# Altium PCB CHAHARDOLI-7 ADAD METAL.PcbDoc (part 7 of 10)
Units mm, origin at the board's own origin, x right, y up, seen from the top; angles counter-clockwise.
Board outline 151 x 86.38 mm, 2 copper layers (Top Layer, Bottom Layer); 1512 components, 81 nets, 3736 pads, 768 vias.
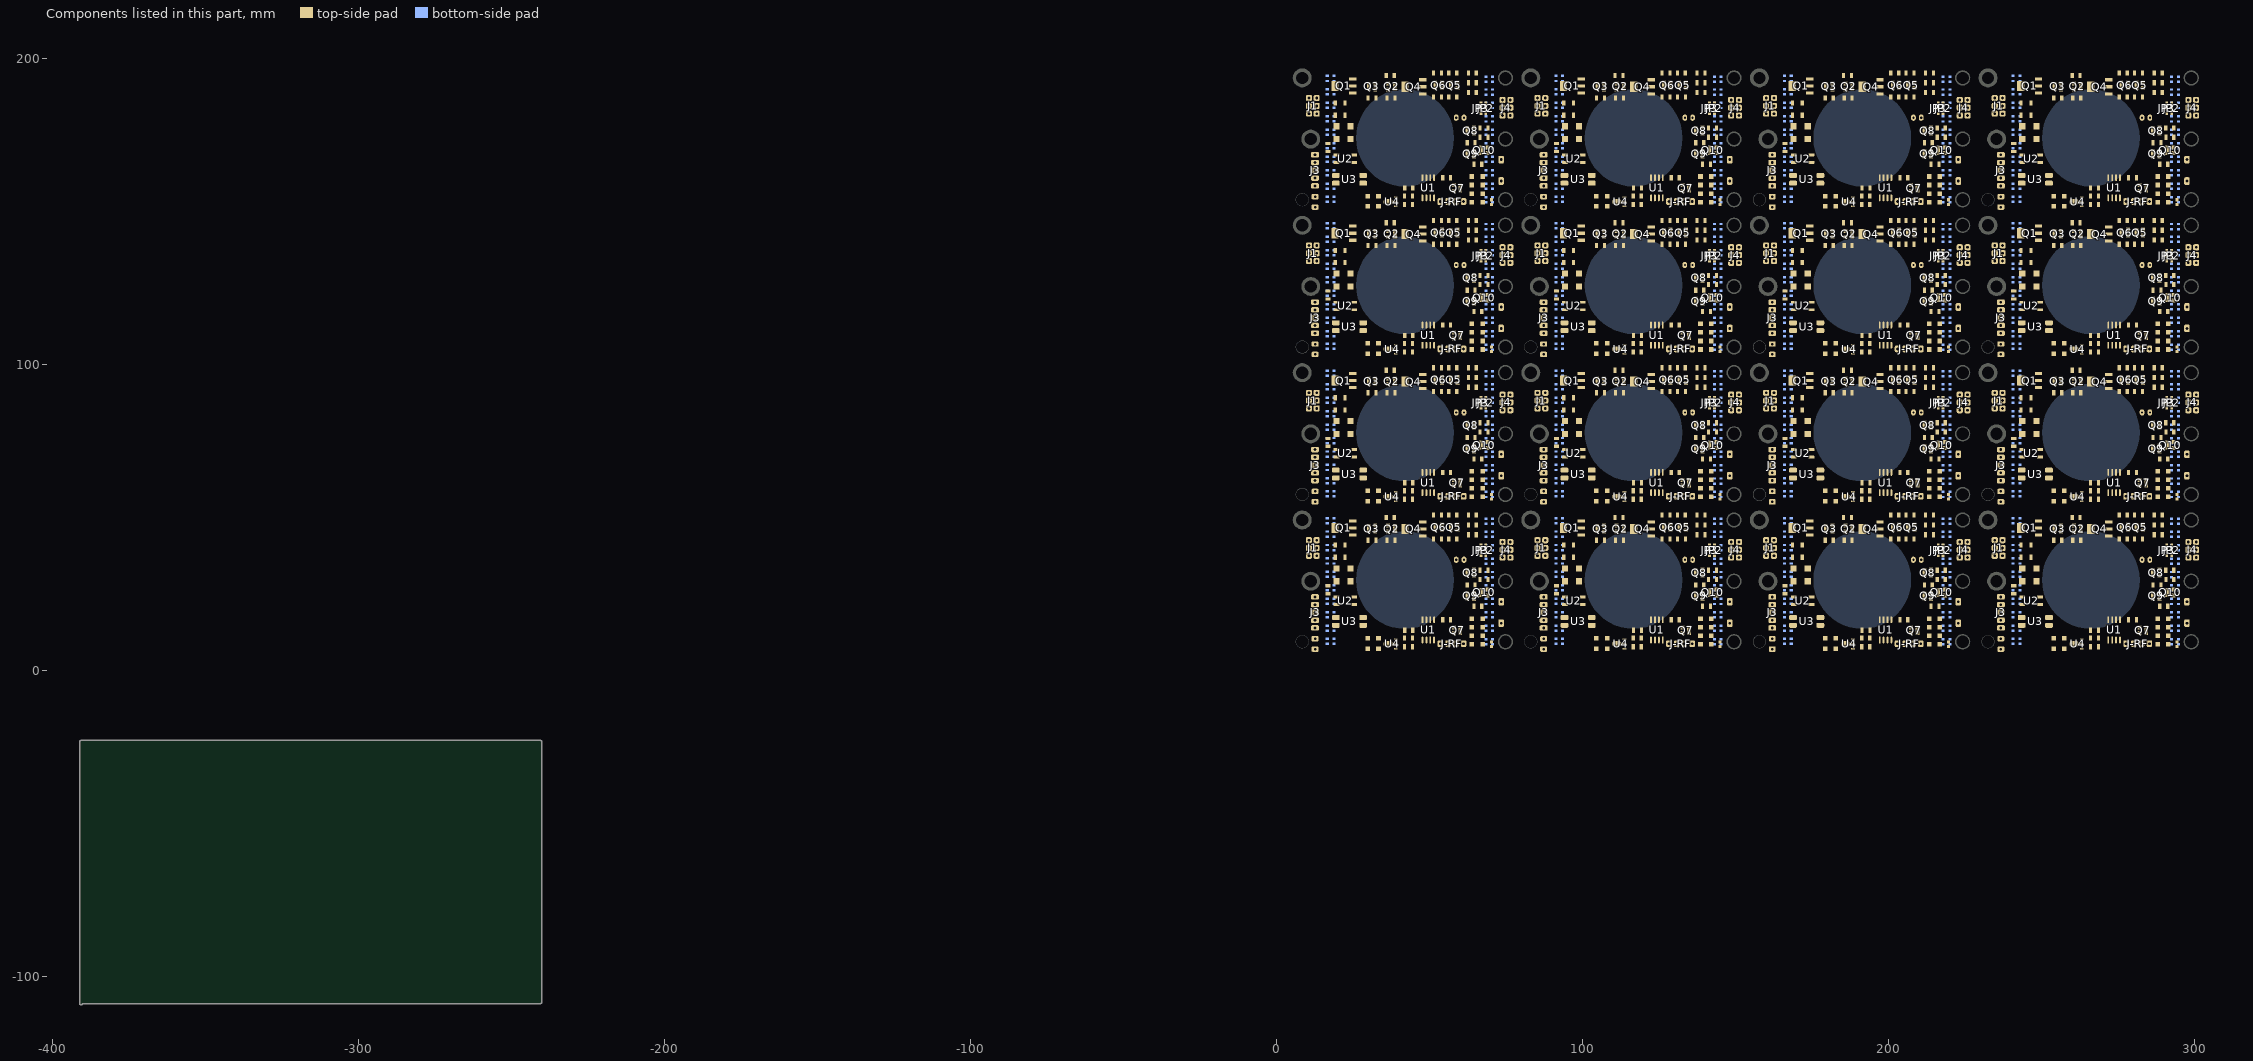
[diagram p7: the components of this part, seen from the top]

## Via types
v1: diameter 1.2, hole 0.6, Top Layer to Bottom Layer, 496 vias
v2: diameter 1, hole 0.6, Top Layer to Bottom Layer, 128 vias
v3: diameter 0.9, hole 0.6, Top Layer to Bottom Layer, 128 vias
v4: diameter 1.27, hole 0.6, Top Layer to Bottom Layer, 16 vias

## Nets (pads, with @x,y where several pads share a name; then routed paths per layer and width w, separated by ;. In a path a pad name is that pad's centre, name@x,y a point inside that pad or via, vN(x,y) a via of type N, cw(c..) or ccw(c..) an arc to the next point about the centre after c; other vN are vias at no path point) (continued)
copper on no net: (continued)
  Bottom Layer w0.4: 16.505,39.428 16.836,39.098 16.836,38.318 17.636,37.518 17.636,34.21 16.54,33.114 16.54,32.352 16.536,32.348 ; 16.505,87.573 16.836,87.243 16.836,86.463 17.636,85.663 17.636,82.355 16.54,81.259 16.54,80.497 16.536,80.493 ; 16.505,135.718 16.836,135.388 16.836,134.608 17.636,133.808 17.636,130.5 16.54,129.404 16.54,128.642 16.536,128.638 ; 16.505,183.864 16.836,183.533 16.836,182.753 17.636,181.953 17.636,178.645 16.54,177.549 16.54,176.787 16.536,176.783 ; 16.536,8.698 16.524,8.686 16.524,7.544 17.17,6.898 21.866,6.898 22.5,7.532 22.766,7.532 v1(22.784,7.55) ; 16.536,10.348 16.336,10.548 15.897,10.548 15.436,11.01 15.436,16.61 15.924,17.098 16.336,17.098 16.536,17.298 ; 16.536,12.698 16.816,12.698 16.816,11.898 17.636,11.078 17.636,8.01 17.947,7.698 19.484,7.698 19.496,7.71 20.336,7.71 20.897,8.271 v1(20.897,8.491) ; 16.536,18.948 16.336,19.148 15.897,19.148 15.436,19.61 15.436,25.41 15.924,25.898 16.336,25.898 16.536,26.098 ; 16.536,21.698 16.621,21.612 16.621,20.932 17.636,19.918 17.636,16.649 16.536,15.549 16.536,14.648 16.836,14.348 ; 16.536,27.748 16.336,27.948 15.897,27.948 15.436,28.41 15.436,34.21 15.924,34.698 16.336,34.698 16.536,34.898 ; 16.536,36.548 16.336,36.748 15.897,36.748 15.436,37.21 15.436,43.01 15.924,43.498 16.536,43.498 16.62,43.582 ; 16.536,45.348 16.336,45.548 15.897,45.548 15.336,46.11 15.336,49.475 15.57,49.71 16.497,49.71 16.536,49.748 ; 16.536,48.098 16.536,47.218 17.636,46.118 17.636,43.049 16.536,41.949 16.536,41.148 16.736,40.948 ; 16.536,56.843 16.524,56.831 16.524,55.689 17.17,55.043 21.866,55.043 22.5,55.677 22.766,55.677 v1(22.784,55.695) ; 16.536,58.493 16.336,58.693 15.897,58.693 15.436,59.155 15.436,64.755 15.924,65.243 16.336,65.243 16.536,65.443 ; 16.536,60.843 16.816,60.843 16.816,60.043 17.636,59.224 17.636,56.155 17.947,55.843 19.484,55.843 19.496,55.855 20.336,55.855 20.897,56.416 v1(20.897,56.636) ; 16.536,67.093 16.336,67.293 15.897,67.293 15.436,67.755 15.436,73.555 15.924,74.043 16.336,74.043 16.536,74.243 ; 16.536,69.843 16.621,69.757 16.621,69.077 17.636,68.063 17.636,64.795 16.536,63.695 16.536,62.793 16.836,62.493 ; 16.536,75.893 16.336,76.093 15.897,76.093 15.436,76.555 15.436,82.355 15.924,82.843 16.336,82.843 16.536,83.043 ; 16.536,84.693 16.336,84.893 15.897,84.893 15.436,85.355 15.436,91.155 15.924,91.643 16.536,91.643 16.62,91.727 ; 16.536,93.493 16.336,93.693 15.897,93.693 15.336,94.255 15.336,97.621 15.57,97.855 16.497,97.855 16.536,97.893 ; 16.536,96.243 16.536,95.363 17.636,94.263 17.636,91.195 16.536,90.095 16.536,89.293 16.736,89.093 ; 16.536,104.988 16.524,104.976 16.524,103.834 17.17,103.188 21.866,103.188 22.5,103.822 22.766,103.822 v1(22.784,103.84) ; 16.536,106.638 16.336,106.838 15.897,106.838 15.436,107.3 15.436,112.9 15.924,113.388 16.336,113.388 16.536,113.588 ; 16.536,108.988 16.816,108.988 16.816,108.188 17.636,107.369 17.636,104.3 17.947,103.988 19.484,103.988 19.496,104 20.336,104 20.897,104.561 v1(20.897,104.781) ; 16.536,115.238 16.336,115.438 15.897,115.438 15.436,115.9 15.436,121.7 15.924,122.188 16.336,122.188 16.536,122.388 ; 16.536,117.988 16.621,117.902 16.621,117.223 17.636,116.208 17.636,112.94 16.536,111.84 16.536,110.938 16.836,110.638 ; 16.536,124.038 16.336,124.238 15.897,124.238 15.436,124.7 15.436,130.5 15.924,130.988 16.336,130.988 16.536,131.188 ; 16.536,132.838 16.336,133.038 15.897,133.038 15.436,133.5 15.436,139.3 15.924,139.788 16.536,139.788 16.62,139.872 ; 16.536,141.638 16.336,141.838 15.897,141.838 15.336,142.4 15.336,145.766 15.57,146 16.497,146 16.536,146.038 ; 16.536,144.388 16.536,143.508 17.636,142.408 17.636,139.34 16.536,138.24 16.536,137.438 16.736,137.238 ; 16.536,153.133 16.524,153.121 16.524,151.979 17.17,151.333 21.866,151.333 22.5,151.967 22.766,151.967 v1(22.784,151.985) ; 16.536,154.783 16.336,154.983 15.897,154.983 15.436,155.445 15.436,161.045 15.924,161.533 16.336,161.533 16.536,161.733 ; 16.536,157.133 16.816,157.133 16.816,156.333 17.636,155.514 17.636,152.445 17.947,152.133 19.484,152.133 19.496,152.145 20.336,152.145 20.897,152.706 v1(20.897,152.927) ; 16.536,163.383 16.336,163.583 15.897,163.583 15.436,164.045 15.436,169.845 15.924,170.333 16.336,170.333 16.536,170.533 ; 16.536,166.133 16.621,166.048 16.621,165.368 17.636,164.353 17.636,161.085 16.536,159.985 16.536,159.083 16.836,158.783 ; 16.536,172.183 16.336,172.383 15.897,172.383 15.436,172.845 15.436,178.645 15.924,179.133 16.336,179.133 16.536,179.333 ; 16.536,180.983 16.336,181.183 15.897,181.183 15.436,181.645 15.436,187.445 15.924,187.933 16.536,187.933 16.62,188.017 ; 16.536,189.783 16.336,189.983 15.897,189.983 15.336,190.545 15.336,193.911 15.57,194.145 16.497,194.145 16.536,194.183 ; 16.536,192.533 16.536,191.653 17.636,190.553 17.636,187.485 16.536,186.385 16.536,185.583 16.736,185.383 ; 16.54,30.505 16.54,29.574 17.636,28.478 17.636,25.21 16.836,24.41 16.836,23.148 ; 16.54,78.65 16.54,77.719 17.636,76.624 17.636,73.355 16.836,72.555 16.836,71.293 ; 16.54,126.796 16.54,125.864 17.636,124.769 17.636,121.5 16.836,120.7 16.836,119.438 ; 16.54,174.941 16.54,174.009 17.636,172.914 17.636,169.645 16.836,168.845 16.836,167.583 ; 18.542,10.541 18.537,10.546 18.537,11.308 17.636,12.21 17.636,15.41 18.736,16.51 18.736,16.898 ; 18.542,58.686 18.537,58.692 18.537,59.453 17.636,60.355 17.636,63.555 18.736,64.655 18.736,65.043 ; 18.542,106.832 18.537,106.837 18.537,107.599 17.636,108.5 17.636,111.7 18.736,112.8 18.736,113.188 ; 18.542,154.977 18.537,154.982 18.537,155.744 17.636,156.645 17.636,159.845 18.736,160.945 18.736,161.333 ; 18.632,36.552 18.632,36.644 18.736,36.748 18.736,37.549 17.636,38.649 17.636,41.918 18.536,42.818 18.536,43.498 18.736,43.698 ; 18.632,84.697 18.632,84.789 18.736,84.893 18.736,85.695 17.636,86.795 17.636,90.063 18.536,90.963 18.536,91.643 18.736,91.843 ; 18.632,132.842 18.632,132.934 18.736,133.038 18.736,133.84 17.636,134.94 17.636,138.208 18.536,139.108 18.536,139.788 18.736,139.988 ; 18.632,180.987 18.632,181.079 18.736,181.183 18.736,181.985 17.636,183.085 17.636,186.353 18.536,187.253 18.536,187.933 18.736,188.133 ; 18.648,18.948 18.648,19.06 18.736,19.148 18.736,19.949 17.636,21.049 17.636,24.01 18.736,25.11 18.736,26.098 ; 18.648,67.093 18.648,67.205 18.736,67.293 18.736,68.095 17.636,69.195 17.636,72.155 18.736,73.255 18.736,74.243 ; 18.648,115.238 18.648,115.35 18.736,115.438 18.736,116.24 17.636,117.34 17.636,120.3 18.736,121.4 18.736,122.388 ; 18.648,163.383 18.648,163.496 18.736,163.583 18.736,164.385 17.636,165.485 17.636,168.445 18.736,169.545 18.736,170.533 ; 18.666,48.11 18.846,47.93 19.516,47.93 19.936,47.51 19.936,41.51 19.529,41.103 18.891,41.103 18.736,40.948 ; 18.666,96.255 18.846,96.075 19.516,96.075 19.936,95.655 19.936,89.655 19.529,89.248 18.891,89.248 18.736,89.093 ; 18.666,144.4 18.846,144.22 19.516,144.22 19.936,143.8 19.936,137.8 19.529,137.393 18.891,137.393 18.736,137.238 ; 18.666,192.545 18.846,192.365 19.516,192.365 19.936,191.945 19.936,185.945 19.529,185.538 18.891,185.538 18.736,185.383 ; 18.736,8.698 18.936,8.898 19.324,8.898 20.371,9.945 22.501,9.945 25.536,6.91 65.136,6.91 66.336,8.11 66.336,43.675 66.383,43.722 66.383,44.04 66.536,44.193 66.536,44.51 67.47,45.444 68.213,45.444 68.336,45.322 ; 18.736,12.898 18.904,12.73 20.847,12.73 25.867,7.71 49.867,7.71 52.667,10.51 63.136,10.51 65.386,12.76 65.386,41.46 65.136,41.71 65.136,45.91 v1(66.536,47.31) 66.536,48.11 67.747,49.322 68.136,49.322 68.336,49.522 ; 18.736,23.348 18.897,23.51 19.536,23.51 19.936,23.91 19.936,29.91 19.536,30.31 19.036,30.31 18.904,30.441 18.904,30.53 ; 18.736,27.748 18.732,27.752 18.732,28.514 17.636,29.61 17.636,33.01 18.736,34.11 18.736,34.898 ; 18.736,32.148 18.897,32.31 19.536,32.31 19.936,32.71 19.936,38.71 19.516,39.13 19.004,39.13 18.852,39.282 ; 18.736,45.748 18.732,45.752 18.732,46.314 17.636,47.41 17.636,49.71 17.636,49.748 18.736,49.748 ; 18.736,56.843 18.936,57.043 19.324,57.043 20.371,58.09 22.501,58.09 25.536,55.055 65.136,55.055 66.336,56.255 66.336,91.821 66.383,91.867 66.383,92.185 66.536,92.338 66.536,92.655 67.47,93.589 68.213,93.589 68.336,93.467 ; 18.736,61.043 18.904,60.875 20.847,60.875 25.867,55.855 49.867,55.855 52.667,58.655 63.136,58.655 65.386,60.905 65.386,89.605 65.136,89.855 65.136,94.055 v1(66.536,95.455) 66.536,96.255 67.747,97.467 68.136,97.467 68.336,97.667 ; 18.736,71.493 18.897,71.655 19.536,71.655 19.936,72.055 19.936,78.055 19.536,78.455 19.036,78.455 18.904,78.587 18.904,78.675 ; 18.736,75.893 18.732,75.897 18.732,76.659 17.636,77.755 17.636,81.155 18.736,82.255 18.736,83.043 ; 18.736,80.293 18.897,80.455 19.536,80.455 19.936,80.855 19.936,86.855 19.516,87.275 19.004,87.275 18.852,87.427 ; 18.736,93.893 18.732,93.897 18.732,94.459 17.636,95.555 17.636,97.855 17.636,97.893 18.736,97.893 ; 18.736,104.988 18.936,105.188 19.324,105.188 20.371,106.235 22.501,106.235 25.536,103.2 65.136,103.2 66.336,104.4 66.336,139.966 66.383,140.013 66.383,140.33 66.536,140.483 66.536,140.8 67.47,141.734 68.213,141.734 68.336,141.612 ; 18.736,109.188 18.904,109.02 20.847,109.02 25.867,104 49.867,104 52.667,106.8 63.136,106.8 65.386,109.05 65.386,137.75 65.136,138 65.136,142.2 v1(66.536,143.6) 66.536,144.4 67.747,145.612 68.136,145.612 68.336,145.812 ; 18.736,119.638 18.897,119.8 19.536,119.8 19.936,120.2 19.936,126.2 19.536,126.6 19.036,126.6 18.904,126.732 18.904,126.82 ; 18.736,124.038 18.732,124.042 18.732,124.804 17.636,125.9 17.636,129.3 18.736,130.4 18.736,131.188 ; 18.736,128.438 18.897,128.6 19.536,128.6 19.936,129 19.936,135 19.516,135.42 19.004,135.42 18.852,135.572 ; 18.736,142.038 18.732,142.042 18.732,142.604 17.636,143.7 17.636,146 17.636,146.038 18.736,146.038 ; 18.736,153.133 18.936,153.333 19.324,153.333 20.371,154.38 22.501,154.38 25.536,151.345 65.136,151.345 66.336,152.545 66.336,188.111 66.383,188.158 66.383,188.475 66.536,188.628 66.536,188.945 67.47,189.879 68.213,189.879 68.336,189.757 ; 18.736,157.333 18.904,157.165 20.847,157.165 25.867,152.145 49.867,152.145 52.667,154.945 63.136,154.945 65.386,157.195 65.386,185.895 65.136,186.145 65.136,190.345 v1(66.536,191.745) 66.536,192.545 67.747,193.757 68.136,193.757 68.336,193.957 ; 18.736,167.783 18.897,167.945 19.536,167.945 19.936,168.345 19.936,174.345 19.536,174.745 19.036,174.745 18.904,174.877 18.904,174.965 ; 18.736,172.183 18.732,172.187 18.732,172.949 17.636,174.045 17.636,177.445 18.736,178.545 18.736,179.333 ; 18.736,176.583 18.897,176.745 19.536,176.745 19.936,177.145 19.936,183.145 19.516,183.565 19.004,183.565 18.852,183.717 ; 18.736,190.183 18.732,190.187 18.732,190.749 17.636,191.845 17.636,194.145 17.636,194.183 18.736,194.183 ; 18.747,21.71 18.927,21.53 19.516,21.53 19.936,21.11 19.936,14.91 19.601,14.575 18.963,14.575 ; 18.747,69.855 18.927,69.675 19.516,69.675 19.936,69.255 19.936,63.055 19.601,62.721 18.963,62.721 ; 18.747,118 18.927,117.82 19.516,117.82 19.936,117.4 19.936,111.2 19.601,110.866 18.963,110.866 ; 18.747,166.145 18.927,165.965 19.516,165.965 19.936,165.545 19.936,159.345 19.601,159.011 18.963,159.011 ; v1(24.836,10.91) 25.16,10.91 25.56,11.31 27.336,11.31 29.236,9.41 49.236,9.41 51.936,12.11 60.736,12.11 63.786,15.16 63.786,38.46 61.936,40.31 61.936,44.11 60.736,45.31 v1(60.736,45.51) 60.936,45.51 66.747,51.322 70.124,51.322 70.736,50.71 70.736,49.522 ; v1(24.836,59.055) 25.16,59.055 25.56,59.455 27.336,59.455 29.236,57.555 49.236,57.555 51.936,60.255 60.736,60.255 63.786,63.305 63.786,86.605 61.936,88.455 61.936,92.255 60.736,93.455 v1(60.736,93.655) 60.936,93.655 66.747,99.467 70.124,99.467 70.736,98.855 70.736,97.667 ; v1(24.836,107.2) 25.16,107.2 25.56,107.6 27.336,107.6 29.236,105.7 49.236,105.7 51.936,108.4 60.736,108.4 63.786,111.45 63.786,134.75 61.936,136.6 61.936,140.4 60.736,141.6 v1(60.736,141.8) 60.936,141.8 66.747,147.612 70.124,147.612 70.736,147 70.736,145.812 ; v1(24.836,155.345) 25.16,155.345 25.56,155.745 27.336,155.745 29.236,153.845 49.236,153.845 51.936,156.545 60.736,156.545 63.786,159.595 63.786,182.895 61.936,184.745 61.936,188.545 60.736,189.745 v1(60.736,189.945) 60.936,189.945 66.747,195.757 70.124,195.757 70.736,195.145 70.736,193.957 ; v1(26.736,9.71) 27.836,8.61 49.636,8.61 52.336,11.31 61.736,11.31 64.586,14.16 64.586,39.68 63.536,40.73 v1(63.536,40.91) ; v1(26.736,57.855) 27.836,56.755 49.636,56.755 52.336,59.455 61.736,59.455 64.586,62.305 64.586,87.825 63.536,88.875 v1(63.536,89.055) ; v1(26.736,106) 27.836,104.9 49.636,104.9 52.336,107.6 61.736,107.6 64.586,110.45 64.586,135.97 63.536,137.02 v1(63.536,137.2) ; v1(26.736,154.145) 27.836,153.045 49.636,153.045 52.336,155.745 61.736,155.745 64.586,158.595 64.586,184.115 63.536,185.165 v1(63.536,185.345) ; v1@63.591,40.965 63.336,41.221 63.336,46.71 67.147,50.522 69.154,50.522 69.436,50.239 69.436,47.172 70.536,46.072 70.536,45.322 ; v1@63.591,89.111 63.336,89.366 63.336,94.855 67.147,98.667 69.154,98.667 69.436,98.385 69.436,95.317 70.536,94.217 70.536,93.467 ; v1@63.591,137.256 63.336,137.511 63.336,143 67.147,146.812 69.154,146.812 69.436,146.53 69.436,143.462 70.536,142.362 70.536,141.612 ; v1@63.591,185.401 63.336,185.656 63.336,191.145 67.147,194.957 69.154,194.957 69.436,194.675 69.436,191.608 70.536,190.508 70.536,189.757 ; 68.136,5.91 68.136,8.51 68.336,8.71 69.201,8.71 ; 68.136,54.055 68.136,56.655 68.336,56.855 69.201,56.855 ; 68.136,102.2 68.136,104.8 68.336,105 69.201,105 ; 68.136,150.345 68.136,152.945 68.336,153.145 69.201,153.145 ; 68.336,8.672 70.536,8.672 ; 68.336,10.322 67.47,10.322 67.236,10.556 67.236,17.075 67.47,17.31 68.336,17.31 ; 68.336,13.083 68.336,12.872 68.336,11.91 69.436,10.81 69.436,8.71 ; 68.336,18.96 67.47,18.96 67.236,19.194 67.236,25.837 67.47,26.072 68.336,26.072 ; 68.336,21.683 68.424,21.683 68.636,21.472 68.636,20.678 69.436,19.878 69.436,16.513 68.636,15.713 68.636,14.833 68.536,14.733 ; 68.336,23.122 68.421,23.207 ; 68.336,27.722 67.47,27.722 67.236,27.956 67.236,34.637 67.47,34.872 68.336,34.872 ; 68.336,30.472 68.336,29.792 69.436,28.692 69.436,25.101 68.421,24.087 68.421,23.407 ; 68.336,32.122 68.336,32.91 69.436,34.01 69.436,37.41 68.336,38.51 68.336,38.872 ; 68.336,36.522 68.253,36.604 67.47,36.604 67.236,36.839 67.236,42.572 68.036,43.372 68.036,43.472 68.236,43.672 68.336,43.672 ; 68.336,40.922 68.336,41.91 69.436,43.01 69.436,45.97 68.336,47.07 68.336,47.672 ; 68.336,56.817 70.536,56.817 ; 68.336,58.467 67.47,58.467 67.236,58.701 67.236,65.221 67.47,65.455 68.336,65.455 ; 68.336,61.228 68.336,61.017 68.336,60.055 69.436,58.955 69.436,56.855 ; 68.336,67.105 67.47,67.105 67.236,67.339 67.236,73.982 67.47,74.217 68.336,74.217 ; 68.336,69.828 68.424,69.828 68.636,69.617 68.636,68.824 69.436,68.024 69.436,64.658 68.636,63.858 68.636,62.978 68.536,62.878 ; 68.336,71.267 68.421,71.352 ; 68.336,75.867 67.47,75.867 67.236,76.101 67.236,82.782 67.47,83.017 68.336,83.017 ; 68.336,78.617 68.336,77.937 69.436,76.837 69.436,73.247 68.421,72.232 68.421,71.552 ; 68.336,80.267 68.336,81.055 69.436,82.155 69.436,85.555 68.336,86.655 68.336,87.017 ; 68.336,84.667 68.253,84.75 67.47,84.75 67.236,84.984 67.236,90.717 68.036,91.517 68.036,91.617 68.236,91.817 68.336,91.817 ; 68.336,89.067 68.336,90.055 69.436,91.155 69.436,94.115 68.336,95.215 68.336,95.817 ; 68.336,104.962 70.536,104.962 ; 68.336,106.612 67.47,106.612 67.236,106.846 67.236,113.366 67.47,113.6 68.336,113.6 ; 68.336,109.374 68.336,109.162 68.336,108.2 69.436,107.1 69.436,105 ; 68.336,115.25 67.47,115.25 67.236,115.484 67.236,122.127 67.47,122.362 68.336,122.362 ; 68.336,117.974 68.424,117.974 68.636,117.762 68.636,116.969 69.436,116.169 69.436,112.803 68.636,112.003 68.636,111.124 68.536,111.024 ; 68.336,119.412 68.421,119.498 ; 68.336,124.012 67.47,124.012 67.236,124.246 67.236,130.927 67.47,131.162 68.336,131.162 ; 68.336,126.762 68.336,126.082 69.436,124.982 69.436,121.392 68.421,120.377 68.421,119.698 ; 68.336,128.412 68.336,129.2 69.436,130.3 69.436,133.7 68.336,134.8 68.336,135.162 ; 68.336,132.812 68.253,132.895 67.47,132.895 67.236,133.129 67.236,138.862 68.036,139.662 68.036,139.762 68.236,139.962 68.336,139.962 ; 68.336,137.212 68.336,138.2 69.436,139.3 69.436,142.26 68.336,143.36 68.336,143.962 ; 68.336,153.107 70.536,153.107 ; 68.336,154.757 67.47,154.757 67.236,154.991 67.236,161.511 67.47,161.745 68.336,161.745 ; 68.336,157.519 68.336,157.307 68.336,156.345 69.436,155.245 69.436,153.145 ; 68.336,163.395 67.47,163.395 67.236,163.629 67.236,170.273 67.47,170.507 68.336,170.507 ; 68.336,166.119 68.424,166.119 68.636,165.907 68.636,165.114 69.436,164.314 69.436,160.949 68.636,160.149 68.636,159.269 68.536,159.169 ; 68.336,167.557 68.421,167.643 ; 68.336,172.157 67.47,172.157 67.236,172.391 67.236,179.073 67.47,179.307 68.336,179.307 ; 68.336,174.907 68.336,174.227 69.436,173.127 69.436,169.537 68.421,168.523 68.421,167.843 ; 68.336,176.557 68.336,177.345 69.436,178.445 69.436,181.845 68.336,182.945 68.336,183.307 ; 68.336,180.957 68.253,181.04 67.47,181.04 67.236,181.274 67.236,187.007 68.036,187.807 68.036,187.907 68.236,188.107 68.336,188.107 ; 68.336,185.357 68.336,186.345 69.436,187.445 69.436,190.405 68.336,191.505 68.336,192.107 ; 70.428,39.31 70.667,39.072 71.174,39.072 71.736,38.51 71.736,32.91 71.147,32.322 70.736,32.322 70.536,32.122 ; 70.428,87.455 70.667,87.217 71.174,87.217 71.736,86.655 71.736,81.055 71.147,80.467 70.736,80.467 70.536,80.267 ; 70.428,135.6 70.667,135.362 71.174,135.362 71.736,134.8 71.736,129.2 71.147,128.612 70.736,128.612 70.536,128.412 ; 70.428,183.745 70.667,183.507 71.174,183.507 71.736,182.945 71.736,177.345 71.147,176.757 70.736,176.757 70.536,176.557 ; 70.536,8.472 70.736,8.672 70.897,8.672 71.097,8.872 71.636,9.41 71.636,12.41 71.162,12.883 70.802,12.883 70.575,13.11 ; 70.536,10.122 70.536,10.91 69.436,12.01 69.436,15.382 70.532,16.478 70.532,17.268 70.536,17.272 ; 70.536,18.922 70.536,19.91 69.436,21.01 69.436,22.673 69.436,23.97 70.536,25.07 70.536,26.072 ; 70.536,23.333 70.724,23.522 71.147,23.522 71.636,24.01 71.636,29.81 71.174,30.272 70.836,30.272 70.615,30.492 70.615,30.509 ; 70.536,27.722 70.371,27.886 70.371,28.887 69.436,29.823 69.436,31.99 69.436,32.77 70.532,33.866 70.532,34.868 70.536,34.872 ; 70.536,36.522 70.536,37.523 69.436,38.623 69.436,41.61 70.536,42.71 70.536,43.672 ; 70.536,40.922 70.736,41.122 71.147,41.122 71.736,41.71 71.736,46.572 70.636,47.672 70.536,47.672 ; 70.536,56.617 70.736,56.817 70.897,56.817 71.097,57.017 71.636,57.555 71.636,60.555 71.162,61.028 70.802,61.028 70.575,61.255 ; 70.536,58.267 70.536,59.055 69.436,60.155 69.436,63.527 70.532,64.623 70.532,65.413 70.536,65.417 ; 70.536,67.067 70.536,68.055 69.436,69.155 69.436,70.818 69.436,72.115 70.536,73.215 70.536,74.217 ; 70.536,71.478 70.724,71.667 71.147,71.667 71.636,72.155 71.636,77.955 71.174,78.417 70.836,78.417 70.615,78.637 70.615,78.654 ; 70.536,75.867 70.371,76.031 70.371,77.032 69.436,77.968 69.436,80.135 69.436,80.915 70.532,82.011 70.532,83.013 70.536,83.017 ; 70.536,84.667 70.536,85.668 69.436,86.768 69.436,89.755 70.536,90.855 70.536,91.817 ; 70.536,89.067 70.736,89.267 71.147,89.267 71.736,89.855 71.736,94.717 70.636,95.817 70.536,95.817 ; 70.536,104.762 70.736,104.962 70.897,104.962 71.097,105.162 71.636,105.7 71.636,108.7 71.162,109.174 70.802,109.174 70.575,109.4 ; 70.536,106.412 70.536,107.2 69.436,108.3 69.436,111.672 70.532,112.768 70.532,113.558 70.536,113.562 ; 70.536,115.212 70.536,116.2 69.436,117.3 69.436,118.963 69.436,120.26 70.536,121.36 70.536,122.362 ; 70.536,119.624 70.724,119.812 71.147,119.812 71.636,120.3 71.636,126.1 71.174,126.562 70.836,126.562 70.615,126.782 70.615,126.799 ; 70.536,124.012 70.371,124.176 70.371,125.177 69.436,126.113 69.436,128.28 69.436,129.06 70.532,130.156 70.532,131.158 70.536,131.162 ; 70.536,132.812 70.536,133.813 69.436,134.913 69.436,137.9 70.536,139 70.536,139.962 ; 70.536,137.212 70.736,137.412 71.147,137.412 71.736,138 71.736,142.862 70.636,143.962 70.536,143.962 ; 70.536,152.907 70.736,153.107 70.897,153.107 71.097,153.307 71.636,153.845 71.636,156.845 71.162,157.319 70.802,157.319 70.575,157.545 ; 70.536,154.557 70.536,155.345 69.436,156.445 69.436,159.817 70.532,160.913 70.532,161.703 70.536,161.707 ; 70.536,163.357 70.536,164.345 69.436,165.445 69.436,167.108 69.436,168.405 70.536,169.505 70.536,170.507 ; 70.536,167.769 70.724,167.957 71.147,167.957 71.636,168.445 71.636,174.245 71.174,174.707 70.836,174.707 70.615,174.927 70.615,174.944 ; 70.536,172.157 70.371,172.321 70.371,173.323 69.436,174.258 69.436,176.426 69.436,177.205 70.532,178.302 70.532,179.303 70.536,179.307 ; 70.536,180.957 70.536,181.958 69.436,183.058 69.436,186.045 70.536,187.145 70.536,188.107 ; 70.536,185.357 70.736,185.557 71.147,185.557 71.736,186.145 71.736,191.007 70.636,192.107 70.536,192.107 ; 70.566,21.71 70.804,21.472 71.174,21.472 71.636,21.01 71.636,15.41 71.159,14.933 70.836,14.933 70.736,14.833 ; 70.566,69.855 70.804,69.617 71.174,69.617 71.636,69.155 71.636,63.555 71.159,63.078 70.836,63.078 70.736,62.978 ; 70.566,118 70.804,117.762 71.174,117.762 71.636,117.3 71.636,111.7 71.159,111.224 70.836,111.224 70.736,111.124 ; 70.566,166.145 70.804,165.907 71.174,165.907 71.636,165.445 71.636,159.845 71.159,159.369 70.836,159.369 70.736,159.269 ; 91.194,39.428 91.524,39.098 91.524,38.318 92.324,37.518 92.324,34.21 91.228,33.114 91.228,32.352 91.224,32.348 ; 91.194,87.573 91.524,87.243 91.524,86.463 92.324,85.663 92.324,82.355 91.228,81.259 91.228,80.497 91.224,80.493 ; 91.194,135.718 91.524,135.388 91.524,134.608 92.324,133.808 92.324,130.5 91.228,129.404 91.228,128.642 91.224,128.638 ; 91.194,183.864 91.524,183.533 91.524,182.753 92.324,181.953 92.324,178.645 91.228,177.549 91.228,176.787 91.224,176.783 ; 91.224,8.698 91.212,8.686 91.212,7.544 91.858,6.898 96.555,6.898 97.189,7.532 97.454,7.532 v1(97.472,7.55) ; 91.224,10.348 91.024,10.548 90.586,10.548 90.124,11.01 90.124,16.61 90.612,17.098 91.024,17.098 91.224,17.298 ; 91.224,12.698 91.504,12.698 91.504,11.898 92.324,11.078 92.324,8.01 92.636,7.698 94.172,7.698 94.184,7.71 95.024,7.71 95.585,8.271 v1(95.585,8.491) ; 91.224,18.948 91.024,19.148 90.586,19.148 90.124,19.61 90.124,25.41 90.612,25.898 91.024,25.898 91.224,26.098 ; 91.224,21.698 91.31,21.612 91.31,20.932 92.324,19.918 92.324,16.649 91.224,15.549 91.224,14.648 91.524,14.348 ; 91.224,27.748 91.024,27.948 90.586,27.948 90.124,28.41 90.124,34.21 90.612,34.698 91.024,34.698 91.224,34.898 ; 91.224,36.548 91.024,36.748 90.586,36.748 90.124,37.21 90.124,43.01 90.612,43.498 91.224,43.498 91.308,43.582 ; 91.224,45.348 91.024,45.548 90.586,45.548 90.024,46.11 90.024,49.475 90.258,49.71 91.186,49.71 91.224,49.748 ; 91.224,48.098 91.224,47.218 92.324,46.118 92.324,43.049 91.224,41.949 91.224,41.148 91.424,40.948 ; 91.224,56.843 91.212,56.831 91.212,55.689 91.858,55.043 96.555,55.043 97.189,55.677 97.454,55.677 v1(97.472,55.695) ; 91.224,58.493 91.024,58.693 90.586,58.693 90.124,59.155 90.124,64.755 90.612,65.243 91.024,65.243 91.224,65.443 ; 91.224,60.843 91.504,60.843 91.504,60.043 92.324,59.224 92.324,56.155 92.636,55.843 94.172,55.843 94.184,55.855 95.024,55.855 95.585,56.416 v1(95.585,56.636) ; 91.224,67.093 91.024,67.293 90.586,67.293 90.124,67.755 90.124,73.555 90.612,74.043 91.024,74.043 91.224,74.243 ; 91.224,69.843 91.31,69.757 91.31,69.077 92.324,68.063 92.324,64.795 91.224,63.695 91.224,62.793 91.524,62.493 ; 91.224,75.893 91.024,76.093 90.586,76.093 90.124,76.555 90.124,82.355 90.612,82.843 91.024,82.843 91.224,83.043 ; 91.224,84.693 91.024,84.893 90.586,84.893 90.124,85.355 90.124,91.155 90.612,91.643 91.224,91.643 91.308,91.727 ; 91.224,93.493 91.024,93.693 90.586,93.693 90.024,94.255 90.024,97.621 90.258,97.855 91.186,97.855 91.224,97.893 ; 91.224,96.243 91.224,95.363 92.324,94.263 92.324,91.195 91.224,90.095 91.224,89.293 91.424,89.093 ; 91.224,104.988 91.212,104.976 91.212,103.834 91.858,103.188 96.555,103.188 97.189,103.822 97.454,103.822 v1(97.472,103.84) ; 91.224,106.638 91.024,106.838 90.586,106.838 90.124,107.3 90.124,112.9 90.612,113.388 91.024,113.388 91.224,113.588 ; 91.224,108.988 91.504,108.988 91.504,108.188 92.324,107.369 92.324,104.3 92.636,103.988 94.172,103.988 94.184,104 95.024,104 95.585,104.561 v1(95.585,104.781) ; 91.224,115.238 91.024,115.438 90.586,115.438 90.124,115.9 90.124,121.7 90.612,122.188 91.024,122.188 91.224,122.388 ; 91.224,117.988 91.31,117.902 91.31,117.223 92.324,116.208 92.324,112.94 91.224,111.84 91.224,110.938 91.524,110.638 ; 91.224,124.038 91.024,124.238 90.586,124.238 90.124,124.7 90.124,130.5 90.612,130.988 91.024,130.988 91.224,131.188 ; 91.224,132.838 91.024,133.038 90.586,133.038 90.124,133.5 90.124,139.3 90.612,139.788 91.224,139.788 91.308,139.872 ; 91.224,141.638 91.024,141.838 90.586,141.838 90.024,142.4 90.024,145.766 90.258,146 91.186,146 91.224,146.038 ; 91.224,144.388 91.224,143.508 92.324,142.408 92.324,139.34 91.224,138.24 91.224,137.438 91.424,137.238 ; 91.224,153.133 91.212,153.121 91.212,151.979 91.858,151.333 96.555,151.333 97.189,151.967 97.454,151.967 v1(97.472,151.985) ; 91.224,154.783 91.024,154.983 90.586,154.983 90.124,155.445 90.124,161.045 90.612,161.533 91.024,161.533 91.224,161.733 ; 91.224,157.133 91.504,157.133 91.504,156.333 92.324,155.514 92.324,152.445 92.636,152.133 94.172,152.133 94.184,152.145 95.024,152.145 95.585,152.706 v1(95.585,152.927) ; 91.224,163.383 91.024,163.583 90.586,163.583 90.124,164.045 90.124,169.845 90.612,170.333 91.024,170.333 91.224,170.533 ; 91.224,166.133 91.31,166.048 91.31,165.368 92.324,164.353 92.324,161.085 91.224,159.985 91.224,159.083 91.524,158.783 ; 91.224,172.183 91.024,172.383 90.586,172.383 90.124,172.845 90.124,178.645 90.612,179.133 91.024,179.133 91.224,179.333 ; 91.224,180.983 91.024,181.183 90.586,181.183 90.124,181.645 90.124,187.445 90.612,187.933 91.224,187.933 91.308,188.017 ; 91.224,189.783 91.024,189.983 90.586,189.983 90.024,190.545 90.024,193.911 90.258,194.145 91.186,194.145 91.224,194.183 ; 91.224,192.533 91.224,191.653 92.324,190.553 92.324,187.485 91.224,186.385 91.224,185.583 91.424,185.383 ; 91.228,30.505 91.228,29.574 92.324,28.478 92.324,25.21 91.524,24.41 91.524,23.148 ; 91.228,78.65 91.228,77.719 92.324,76.624 92.324,73.355 91.524,72.555 91.524,71.293 ; 91.228,126.796 91.228,125.864 92.324,124.769 92.324,121.5 91.524,120.7 91.524,119.438 ; 91.228,174.941 91.228,174.009 92.324,172.914 92.324,169.645 91.524,168.845 91.524,167.583 ; 92.324,97.893 92.324,97.855 92.324,95.555 93.42,94.459 93.42,93.897 93.424,93.893 ; 92.324,97.893 93.424,97.893 ; 93.23,10.541 93.225,10.547 93.225,11.308 92.324,12.21 92.324,15.41 93.424,16.51 93.424,16.898 ; 93.23,58.686 93.225,58.692 93.225,59.453 92.324,60.355 92.324,63.555 93.424,64.655 93.424,65.043 ; 93.23,106.832 93.225,106.837 93.225,107.599 92.324,108.5 92.324,111.7 93.424,112.8 93.424,113.188 ; 93.23,154.977 93.225,154.982 93.225,155.744 92.324,156.645 92.324,159.845 93.424,160.945 93.424,161.333 ; 93.32,36.552 93.32,36.644 93.424,36.748 93.424,37.549 92.324,38.649 92.324,41.918 93.224,42.818 93.224,43.498 93.424,43.698 ; 93.32,84.697 93.32,84.789 93.424,84.893 93.424,85.695 92.324,86.795 92.324,90.063 93.224,90.963 93.224,91.643 93.424,91.843 ; 93.32,132.842 93.32,132.934 93.424,133.038 93.424,133.84 92.324,134.94 92.324,138.208 93.224,139.108 93.224,139.788 93.424,139.988 ; 93.32,180.987 93.32,181.079 93.424,181.183 93.424,181.985 92.324,183.085 92.324,186.353 93.224,187.253 93.224,187.933 93.424,188.133 ; 93.336,18.948 93.336,19.06 93.424,19.148 93.424,19.949 92.324,21.049 92.324,24.01 93.424,25.11 93.424,26.098 ; 93.336,67.093 93.336,67.205 93.424,67.293 93.424,68.095 92.324,69.195 92.324,72.155 93.424,73.255 93.424,74.243 ; 93.336,115.238 93.336,115.35 93.424,115.438 93.424,116.24 92.324,117.34 92.324,120.3 93.424,121.4 93.424,122.388 ; 93.336,163.383 93.336,163.496 93.424,163.583 93.424,164.385 92.324,165.485 92.324,168.445 93.424,169.545 93.424,170.533 ; 93.354,48.11 93.534,47.93 94.204,47.93 94.624,47.51 94.624,41.51 94.217,41.103 93.579,41.103 93.424,40.948 ; 93.354,96.255 93.534,96.075 94.204,96.075 94.624,95.655 94.624,89.655 94.217,89.248 93.579,89.248 93.424,89.093 ; 93.354,144.4 93.534,144.22 94.204,144.22 94.624,143.8 94.624,137.8 94.217,137.393 93.579,137.393 93.424,137.238 ; 93.354,192.545 93.534,192.365 94.204,192.365 94.624,191.945 94.624,185.945 94.217,185.538 93.579,185.538 93.424,185.383 ; 93.424,8.698 93.624,8.898 94.012,8.898 95.059,9.945 97.189,9.945 100.224,6.91 139.824,6.91 141.024,8.11 141.024,43.675 141.071,43.722 141.071,44.04 141.224,44.193 141.224,44.51 142.158,45.444 142.901,45.444 143.024,45.322 ; 93.424,12.898 93.592,12.73 95.535,12.73 100.555,7.71 124.555,7.71 127.355,10.51 137.824,10.51 140.074,12.76 140.074,41.46 139.824,41.71 139.824,45.91 v1(141.224,47.31) 141.224,48.11 142.436,49.322 142.824,49.322 143.024,49.522 ; 93.424,23.348 93.586,23.51 94.224,23.51 94.624,23.91 94.624,29.91 94.224,30.31 93.724,30.31 93.592,30.441 93.592,30.53 ; 93.424,27.748 93.42,27.752 93.42,28.514 92.324,29.61 92.324,33.01 93.424,34.11 93.424,34.898 ; 93.424,32.148 93.586,32.31 94.224,32.31 94.624,32.71 94.624,38.71 94.204,39.13 93.692,39.13 93.54,39.282 ; 93.424,45.748 93.42,45.752 93.42,46.314 92.324,47.41 92.324,49.71 92.324,49.748 93.424,49.748 ; 93.424,56.843 93.624,57.043 94.012,57.043 95.059,58.09 97.189,58.09 100.224,55.055 139.824,55.055 141.024,56.255 141.024,91.821 141.071,91.867 141.071,92.185 141.224,92.338 141.224,92.655 142.158,93.589 142.901,93.589 143.024,93.467 ; 93.424,61.043 93.592,60.875 95.535,60.875 100.555,55.855 124.555,55.855 127.355,58.655 137.824,58.655 140.074,60.905 140.074,89.605 139.824,89.855 139.824,94.055 v1(141.224,95.455) 141.224,96.255 142.436,97.467 142.824,97.467 143.024,97.667 ; 93.424,71.493 93.586,71.655 94.224,71.655 94.624,72.055 94.624,78.055 94.224,78.455 93.724,78.455 93.592,78.587 93.592,78.675 ; 93.424,75.893 93.42,75.897 93.42,76.659 92.324,77.755 92.324,81.155 93.424,82.255 93.424,83.043 ; 93.424,80.293 93.586,80.455 94.224,80.455 94.624,80.855 94.624,86.855 94.204,87.275 93.692,87.275 93.54,87.427 ; 93.424,104.988 93.624,105.188 94.012,105.188 95.059,106.235 97.189,106.235 100.224,103.2 139.824,103.2 141.024,104.4 141.024,139.966 141.071,140.013 141.071,140.33 141.224,140.483 141.224,140.8 142.158,141.734 142.901,141.734 143.024,141.612 ; 93.424,109.188 93.592,109.02 95.535,109.02 100.555,104 124.555,104 127.355,106.8 137.824,106.8 140.074,109.05 140.074,137.75 139.824,138 139.824,142.2 v1(141.224,143.6) 141.224,144.4 142.436,145.612 142.824,145.612 143.024,145.812 ; 93.424,119.638 93.586,119.8 94.224,119.8 94.624,120.2 94.624,126.2 94.224,126.6 93.724,126.6 93.592,126.732 93.592,126.82 ; 93.424,124.038 93.42,124.042 93.42,124.804 92.324,125.9 92.324,129.3 93.424,130.4 93.424,131.188 ; 93.424,128.438 93.586,128.6 94.224,128.6 94.624,129 94.624,135 94.204,135.42 93.692,135.42 93.54,135.572 ; 93.424,142.038 93.42,142.042 93.42,142.604 92.324,143.7 92.324,146 92.324,146.038 93.424,146.038 ; 93.424,153.133 93.624,153.333 94.012,153.333 95.059,154.38 97.189,154.38 100.224,151.345 139.824,151.345 141.024,152.545 141.024,188.111 141.071,188.158 141.071,188.475 141.224,188.628 141.224,188.945 142.158,189.879 142.901,189.879 143.024,189.757 ; 93.424,157.333 93.592,157.165 95.535,157.165 100.555,152.145 124.555,152.145 127.355,154.945 137.824,154.945 140.074,157.195 140.074,185.895 139.824,186.145 139.824,190.345 v1(141.224,191.745) 141.224,192.545 142.436,193.757 142.824,193.757 143.024,193.957 ; 93.424,167.783 93.586,167.945 94.224,167.945 94.624,168.345 94.624,174.345 94.224,174.745 93.724,174.745 93.592,174.877 93.592,174.965 ; 93.424,172.183 93.42,172.187 93.42,172.949 92.324,174.045 92.324,177.445 93.424,178.545 93.424,179.333 ; 93.424,176.583 93.586,176.745 94.224,176.745 94.624,177.145 94.624,183.145 94.204,183.565 93.692,183.565 93.54,183.717 ; 93.424,190.183 93.42,190.187 93.42,190.749 92.324,191.845 92.324,194.145 92.324,194.183 93.424,194.183 ; 93.435,21.71 93.616,21.53 94.204,21.53 94.624,21.11 94.624,14.91 94.289,14.575 93.651,14.575 ; 93.435,69.855 93.616,69.675 94.204,69.675 94.624,69.255 94.624,63.055 94.289,62.721 93.651,62.721 ; 93.435,118 93.616,117.82 94.204,117.82 94.624,117.4 94.624,111.2 94.289,110.866 93.651,110.866 ; 93.435,166.145 93.616,165.965 94.204,165.965 94.624,165.545 94.624,159.345 94.289,159.011 93.651,159.011 ; v1(99.524,10.91) 99.849,10.91 100.249,11.31 102.024,11.31 103.924,9.41 123.924,9.41 126.624,12.11 135.424,12.11 138.474,15.16 138.474,38.46 136.624,40.31 136.624,44.11 135.424,45.31 v1(135.424,45.51) 135.624,45.51 141.436,51.322 144.812,51.322 145.424,50.71 145.424,49.522 ; v1(99.524,59.055) 99.849,59.055 100.249,59.455 102.024,59.455 103.924,57.555 123.924,57.555 126.624,60.255 135.424,60.255 138.474,63.305 138.474,86.605 136.624,88.455 136.624,92.255 135.424,93.455 v1(135.424,93.655) 135.624,93.655 141.436,99.467 144.812,99.467 145.424,98.855 145.424,97.667 ; v1(99.524,107.2) 99.849,107.2 100.249,107.6 102.024,107.6 103.924,105.7 123.924,105.7 126.624,108.4 135.424,108.4 138.474,111.45 138.474,134.75 136.624,136.6 136.624,140.4 135.424,141.6 v1(135.424,141.8) 135.624,141.8 141.436,147.612 144.812,147.612 145.424,147 145.424,145.812 ; v1(99.524,155.345) 99.849,155.345 100.249,155.745 102.024,155.745 103.924,153.845 123.924,153.845 126.624,156.545 135.424,156.545 138.474,159.595 138.474,182.895 136.624,184.745 136.624,188.545 135.424,189.745 v1(135.424,189.945) 135.624,189.945 141.436,195.757 144.812,195.757 145.424,195.145 145.424,193.957 ; v1(101.424,9.71) 102.524,8.61 124.324,8.61 127.024,11.31 136.424,11.31 139.274,14.16 139.274,39.68 138.224,40.73 v1(138.224,40.91) ; v1(101.424,57.855) 102.524,56.755 124.324,56.755 127.024,59.455 136.424,59.455 139.274,62.305 139.274,87.825 138.224,88.875 v1(138.224,89.055) ; v1(101.424,106) 102.524,104.9 124.324,104.9 127.024,107.6 136.424,107.6 139.274,110.45 139.274,135.97 138.224,137.02 v1(138.224,137.2) ; v1(101.424,154.145) 102.524,153.045 124.324,153.045 127.024,155.745 136.424,155.745 139.274,158.595 139.274,184.115 138.224,185.165 v1(138.224,185.345) ; v1@138.279,40.965 138.024,41.221 138.024,46.71 141.836,50.522 143.842,50.522 144.124,50.239 144.124,47.172 145.224,46.072 145.224,45.322 ; v1@138.279,89.111 138.024,89.366 138.024,94.855 141.836,98.667 143.842,98.667 144.124,98.385 144.124,95.317 145.224,94.217 145.224,93.467 ; v1@138.279,137.256 138.024,137.511 138.024,143 141.836,146.812 143.842,146.812 144.124,146.53 144.124,143.462 145.224,142.363 145.224,141.612 ; v1@138.279,185.401 138.024,185.656 138.024,191.145 141.836,194.957 143.842,194.957 144.124,194.675 144.124,191.608 145.224,190.508 145.224,189.757 ; 142.824,5.91 142.824,8.51 143.024,8.71 143.889,8.71 ; 142.824,54.055 142.824,56.655 143.024,56.855 143.889,56.855 ; 142.824,102.2 142.824,104.8 143.024,105 143.889,105 ; 142.824,150.345 142.824,152.945 143.024,153.145 143.889,153.145 ; 143.024,8.672 145.224,8.672 ; 143.024,10.322 142.158,10.322 141.924,10.556 141.924,17.075 142.158,17.31 143.024,17.31 ; 143.024,13.083 143.024,12.872 143.024,11.91 144.124,10.81 144.124,8.71 ; 143.024,18.96 142.158,18.96 141.924,19.194 141.924,25.837 142.158,26.072 143.024,26.072 ; 143.024,21.683 143.112,21.683 143.324,21.472 143.324,20.678 144.124,19.878 144.124,16.513 143.324,15.713 143.324,14.833 143.224,14.733 ; 143.024,23.122 143.11,23.207 ; 143.024,27.722 142.158,27.722 141.924,27.956 141.924,34.637 142.158,34.872 143.024,34.872 ; 143.024,30.472 143.024,29.792 144.124,28.692 144.124,25.101 143.11,24.087 143.11,23.407 ; 143.024,32.122 143.024,32.91 144.124,34.01 144.124,37.41 143.024,38.51 143.024,38.872 ; 143.024,36.522 142.941,36.604 142.158,36.604 141.924,36.839 141.924,42.572 142.724,43.372 142.724,43.472 142.924,43.672 143.024,43.672 ; 143.024,40.922 143.024,41.91 144.124,43.01 144.124,45.97 143.024,47.07 143.024,47.672 ; 143.024,56.817 145.224,56.817 ; 143.024,58.467 142.158,58.467 141.924,58.701 141.924,65.221 142.158,65.455 143.024,65.455 ; 143.024,61.228 143.024,61.017 143.024,60.055 144.124,58.955 144.124,56.855 ; 143.024,67.105 142.158,67.105 141.924,67.339 141.924,73.982 142.158,74.217 143.024,74.217 ; 143.024,69.828 143.112,69.828 143.324,69.617 143.324,68.824 144.124,68.024 144.124,64.658 143.324,63.858 143.324,62.978 143.224,62.878 ; 143.024,71.267 143.11,71.352 ; 143.024,75.867 142.158,75.867 141.924,76.101 141.924,82.782 142.158,83.017 143.024,83.017 ; 143.024,78.617 143.024,77.937 144.124,76.837 144.124,73.247 143.11,72.232 143.11,71.552 ; 143.024,80.267 143.024,81.055 144.124,82.155 144.124,85.555 143.024,86.655 143.024,87.017 ; 143.024,84.667 142.941,84.75 142.158,84.75 141.924,84.984 141.924,90.717 142.724,91.517 142.724,91.617 142.924,91.817 143.024,91.817 ; 143.024,89.067 143.024,90.055 144.124,91.155 144.124,94.115 143.024,95.215 143.024,95.817 ; 143.024,104.962 145.224,104.962 ; 143.024,106.612 142.158,106.612 141.924,106.846 141.924,113.366 142.158,113.6 143.024,113.6 ; 143.024,109.374 143.024,109.162 143.024,108.2 144.124,107.1 144.124,105 ; 143.024,115.25 142.158,115.25 141.924,115.484 141.924,122.127 142.158,122.362 143.024,122.362 ; 143.024,117.974 143.112,117.974 143.324,117.762 143.324,116.969 144.124,116.169 144.124,112.803 143.324,112.003 143.324,111.124 143.224,111.024 ; 143.024,119.412 143.11,119.498 ; 143.024,124.012 142.158,124.012 141.924,124.246 141.924,130.927 142.158,131.162 143.024,131.162 ; 143.024,126.762 143.024,126.082 144.124,124.982 144.124,121.392 143.11,120.377 143.11,119.698 ; 143.024,128.412 143.024,129.2 144.124,130.3 144.124,133.7 143.024,134.8 143.024,135.162 ; 143.024,132.812 142.941,132.895 142.158,132.895 141.924,133.129 141.924,138.862 142.724,139.662 142.724,139.762 142.924,139.962 143.024,139.962 ; 143.024,137.212 143.024,138.2 144.124,139.3 144.124,142.26 143.024,143.36 143.024,143.962 ; 143.024,153.107 145.224,153.107 ; 143.024,154.757 142.158,154.757 141.924,154.991 141.924,161.511 142.158,161.745 143.024,161.745 ; 143.024,157.519 143.024,157.307 143.024,156.345 144.124,155.245 144.124,153.145 ; 143.024,163.395 142.158,163.395 141.924,163.629 141.924,170.273 142.158,170.507 143.024,170.507 ; 143.024,166.119 143.112,166.119 143.324,165.907 143.324,165.114 144.124,164.314 144.124,160.949 143.324,160.149 143.324,159.269 143.224,159.169 ; 143.024,167.557 143.11,167.643 ; 143.024,172.157 142.158,172.157 141.924,172.391 141.924,179.073 142.158,179.307 143.024,179.307 ; 143.024,174.907 143.024,174.227 144.124,173.127 144.124,169.537 143.11,168.523 143.11,167.843 ; 143.024,176.557 143.024,177.345 144.124,178.445 144.124,181.845 143.024,182.945 143.024,183.307 ; 143.024,180.957 142.941,181.04 142.158,181.04 141.924,181.274 141.924,187.007 142.724,187.807 142.724,187.907 142.924,188.107 143.024,188.107 ; 143.024,185.357 143.024,186.345 144.124,187.445 144.124,190.405 143.024,191.505 143.024,192.107 ; 145.117,39.31 145.355,39.072 145.862,39.072 146.424,38.51 146.424,32.91 145.836,32.322 145.424,32.322 145.224,32.122 ; 145.117,87.455 145.355,87.217 145.862,87.217 146.424,86.655 146.424,81.055 145.836,80.467 145.424,80.467 145.224,80.267 ; 145.117,135.6 145.355,135.362 145.862,135.362 146.424,134.8 146.424,129.2 145.836,128.612 145.424,128.612 145.224,128.412 ; 145.117,183.745 145.355,183.507 145.862,183.507 146.424,182.945 146.424,177.345 145.836,176.757 145.424,176.757 145.224,176.557 ; 145.224,8.472 145.424,8.672 145.586,8.672 145.786,8.872 146.324,9.41 146.324,12.41 145.85,12.883 145.49,12.883 145.263,13.11 ; 145.224,10.122 145.224,10.91 144.124,12.01 144.124,15.382 145.22,16.478 145.22,17.268 145.224,17.272 ; 145.224,18.922 145.224,19.91 144.124,21.01 144.124,22.673 144.124,23.97 145.224,25.07 145.224,26.072 ; 145.224,23.333 145.412,23.522 145.836,23.522 146.324,24.01 146.324,29.81 145.862,30.272 145.524,30.272 145.303,30.492 145.303,30.509 ; 145.224,27.722 145.06,27.886 145.06,28.887 144.124,29.823 144.124,31.99 144.124,32.77 145.22,33.866 145.22,34.868 145.224,34.872 ; 145.224,36.522 145.224,37.523 144.124,38.623 144.124,41.61 145.224,42.71 145.224,43.672 ; 145.224,40.922 145.424,41.122 145.836,41.122 146.424,41.71 146.424,46.572 145.324,47.672 145.224,47.672 ; 145.224,56.617 145.424,56.817 145.586,56.817 145.786,57.017 146.324,57.555 146.324,60.555 145.85,61.028 145.49,61.028 145.263,61.255 ; 145.224,58.267 145.224,59.055 144.124,60.155 144.124,63.527 145.22,64.623 145.22,65.413 145.224,65.417 ; 145.224,67.067 145.224,68.055 144.124,69.155 144.124,70.818 144.124,72.115 145.224,73.215 145.224,74.217 ; 145.224,71.478 145.412,71.667 145.836,71.667 146.324,72.155 146.324,77.955 145.862,78.417 145.524,78.417 145.303,78.637 145.303,78.654 ; 145.224,75.867 145.06,76.031 145.06,77.032 144.124,77.968 144.124,80.135 144.124,80.915 145.22,82.011 145.22,83.013 145.224,83.017 ; 145.224,84.667 145.224,85.668 144.124,86.768 144.124,89.755 145.224,90.855 145.224,91.817 ; 145.224,89.067 145.424,89.267 145.836,89.267 146.424,89.855 146.424,94.717 145.324,95.817 145.224,95.817 ; 145.224,104.762 145.424,104.962 145.586,104.962 145.786,105.162 146.324,105.7 146.324,108.7 145.85,109.174 145.49,109.174 145.263,109.4 ; 145.224,106.412 145.224,107.2 144.124,108.3 144.124,111.672 145.22,112.768 145.22,113.558 145.224,113.562 ; 145.224,115.212 145.224,116.2 144.124,117.3 144.124,118.963 144.124,120.26 145.224,121.36 145.224,122.362 ; 145.224,119.624 145.412,119.812 145.836,119.812 146.324,120.3 146.324,126.1 145.862,126.562 145.524,126.562 145.303,126.782 145.303,126.799 ; 145.224,124.012 145.06,124.176 145.06,125.177 144.124,126.113 144.124,128.28 144.124,129.06 145.22,130.156 145.22,131.158 145.224,131.162 ; 145.224,132.812 145.224,133.813 144.124,134.913 144.124,137.9 145.224,139 145.224,139.962 ; 145.224,137.212 145.424,137.412 145.836,137.412 146.424,138 146.424,142.862 145.324,143.962 145.224,143.962 ; 145.224,152.907 145.424,153.107 145.586,153.107 145.786,153.307 146.324,153.845 146.324,156.845 145.85,157.319 145.49,157.319 145.263,157.545 ; 145.224,154.557 145.224,155.345 144.124,156.445 144.124,159.817 145.22,160.913 145.22,161.703 145.224,161.707 ; 145.224,163.357 145.224,164.345 144.124,165.445 144.124,167.108 144.124,168.405 145.224,169.505 145.224,170.507 ; 145.224,167.769 145.412,167.957 145.836,167.957 146.324,168.445 146.324,174.245 145.862,174.707 145.524,174.707 145.303,174.927 145.303,174.944 ; 145.224,172.157 145.06,172.321 145.06,173.323 144.124,174.258 144.124,176.426 144.124,177.205 145.22,178.302 145.22,179.303 145.224,179.307 ; 145.224,180.957 145.224,181.958 144.124,183.058 144.124,186.045 145.224,187.145 145.224,188.107 ; 145.224,185.357 145.424,185.557 145.836,185.557 146.424,186.145 146.424,191.007 145.324,192.107 145.224,192.107 ; 145.254,21.71 145.493,21.472 145.862,21.472 146.324,21.01 146.324,15.41 145.847,14.933 145.524,14.933 145.424,14.833 ; 145.254,69.855 145.493,69.617 145.862,69.617 146.324,69.155 146.324,63.555 145.847,63.078 145.524,63.078 145.424,62.978 ; 145.254,118 145.493,117.762 145.862,117.762 146.324,117.3 146.324,111.7 145.847,111.224 145.524,111.224 145.424,111.124 ; 145.254,166.145 145.493,165.907 145.862,165.907 146.324,165.445 146.324,159.845 145.847,159.369 145.524,159.369 145.424,159.269 ; 165.882,39.428 166.212,39.098 166.212,38.318 167.012,37.518 167.012,34.21 165.916,33.114 165.916,32.352 165.912,32.348 ; 165.882,87.573 166.212,87.243 166.212,86.463 167.012,85.663 167.012,82.355 165.916,81.259 165.916,80.497 165.912,80.493 ; 165.882,135.718 166.212,135.388 166.212,134.608 167.012,133.808 167.012,130.5 165.916,129.404 165.916,128.642 165.912,128.638 ; 165.882,183.864 166.212,183.533 166.212,182.753 167.012,181.953 167.012,178.645 165.916,177.549 165.916,176.787 165.912,176.783 ; 165.912,8.698 165.9,8.686 165.9,7.544 166.546,6.898 171.243,6.898 171.877,7.532 172.142,7.532 v1(172.16,7.55) ; 165.912,10.348 165.712,10.548 165.274,10.548 164.812,11.01 164.812,16.61 165.3,17.098 165.712,17.098 165.912,17.298 ; 165.912,12.698 166.192,12.698 166.192,11.898 167.012,11.078 167.012,8.01 167.324,7.698 168.86,7.698 168.872,7.71 169.712,7.71 170.273,8.271 v1(170.273,8.491) ; 165.912,18.948 165.712,19.148 165.274,19.148 164.812,19.61 164.812,25.41 165.3,25.898 165.712,25.898 165.912,26.098 ; 165.912,21.698 165.998,21.612 165.998,20.932 167.012,19.918 167.012,16.649 165.912,15.549 165.912,14.648 166.212,14.348 ; 165.912,27.748 165.712,27.948 165.274,27.948 164.812,28.41 164.812,34.21 165.3,34.698 165.712,34.698 165.912,34.898 ; 165.912,36.548 165.712,36.748 165.274,36.748 164.812,37.21 164.812,43.01 165.3,43.498 165.912,43.498 165.996,43.582 ; 165.912,45.348 165.712,45.548 165.274,45.548 164.712,46.11 164.712,49.475 164.946,49.71 165.874,49.71 165.912,49.748 ; 165.912,48.098 165.912,47.218 167.012,46.118 167.012,43.049 165.912,41.949 165.912,41.148 166.112,40.948 ; 165.912,56.843 165.9,56.831 165.9,55.689 166.546,55.043 171.243,55.043 171.877,55.677 172.142,55.677 v1(172.16,55.695) ; 165.912,58.493 165.712,58.693 165.274,58.693 164.812,59.155 164.812,64.755 165.3,65.243 165.712,65.243 165.912,65.443 ; 165.912,60.843 166.192,60.843 166.192,60.043 167.012,59.224 167.012,56.155 167.324,55.843 168.86,55.843 168.872,55.855 169.712,55.855 170.273,56.416 v1(170.273,56.636) ; 165.912,67.093 165.712,67.293 165.274,67.293 164.812,67.755 164.812,73.555 165.3,74.043 165.712,74.043 165.912,74.243 ; 165.912,69.843 165.998,69.757 165.998,69.077 167.012,68.063 167.012,64.795 165.912,63.695 165.912,62.793 166.212,62.493 ; 165.912,75.893 165.712,76.093 165.274,76.093 164.812,76.555 164.812,82.355 165.3,82.843 165.712,82.843 165.912,83.043 ; 165.912,84.693 165.712,84.893 165.274,84.893 164.812,85.355 164.812,91.155 165.3,91.643 165.912,91.643 165.996,91.727 ; 165.912,93.493 165.712,93.693 165.274,93.693 164.712,94.255 164.712,97.621 164.946,97.855 165.874,97.855 165.912,97.893 ; 165.912,96.243 165.912,95.363 167.012,94.263 167.012,91.195 165.912,90.095 165.912,89.293 166.112,89.093 ; 165.912,104.988 165.9,104.976 165.9,103.834 166.546,103.188 171.243,103.188 171.877,103.822 172.142,103.822 v1(172.16,103.84) ; 165.912,106.638 165.712,106.838 165.274,106.838 164.812,107.3 164.812,112.9 165.3,113.388 165.712,113.388 165.912,113.588 ; 165.912,108.988 166.192,108.988 166.192,108.188 167.012,107.369 167.012,104.3 167.324,103.988 168.86,103.988 168.872,104 169.712,104 170.273,104.561 v1(170.273,104.781) ; 165.912,115.238 165.712,115.438 165.274,115.438 164.812,115.9 164.812,121.7 165.3,122.188 165.712,122.188 165.912,122.388 ; 165.912,117.988 165.998,117.902 165.998,117.223 167.012,116.208 167.012,112.94 165.912,111.84 165.912,110.938 166.212,110.638 ; 165.912,124.038 165.712,124.238 165.274,124.238 164.812,124.7 164.812,130.5 165.3,130.988 165.712,130.988 165.912,131.188 ; 165.912,132.838 165.712,133.038 165.274,133.038 164.812,133.5 164.812,139.3 165.3,139.788 165.912,139.788 165.996,139.872 ; 165.912,141.638 165.712,141.838 165.274,141.838 164.712,142.4 164.712,145.766 164.946,146 165.874,146 165.912,146.038 ; 165.912,144.388 165.912,143.508 167.012,142.408 167.012,139.34 165.912,138.24 165.912,137.438 166.112,137.238 ; 165.912,153.133 165.9,153.121 165.9,151.979 166.546,151.333 171.243,151.333 171.877,151.967 172.142,151.967 v1(172.16,151.985) ; 165.912,154.783 165.712,154.983 165.274,154.983 164.812,155.445 164.812,161.045 165.3,161.533 165.712,161.533 165.912,161.733 ; 165.912,157.133 166.192,157.133 166.192,156.333 167.012,155.514 167.012,152.445 167.324,152.133 168.86,152.133 168.872,152.145 169.712,152.145 170.273,152.706 v1(170.273,152.927) ; 165.912,163.383 165.712,163.583 165.274,163.583 164.812,164.045 164.812,169.845 165.3,170.333 165.712,170.333 165.912,170.533 ; 165.912,166.133 165.998,166.048 165.998,165.368 167.012,164.353 167.012,161.085 165.912,159.985 165.912,159.083 166.212,158.783 ; 165.912,172.183 165.712,172.383 165.274,172.383 164.812,172.845 164.812,178.645 165.3,179.133 165.712,179.133 165.912,179.333 ; 165.912,180.983 165.712,181.183 165.274,181.183 164.812,181.645 164.812,187.445 165.3,187.933 165.912,187.933 165.996,188.017 ; 165.912,189.783 165.712,189.983 165.274,189.983 164.712,190.545 164.712,193.911 164.946,194.145 165.874,194.145 165.912,194.183 ; 165.912,192.533 165.912,191.653 167.012,190.553 167.012,187.485 165.912,186.385 165.912,185.583 166.112,185.383